# KiCad board RADAR_Main_Board.kicad_pcb (continued)
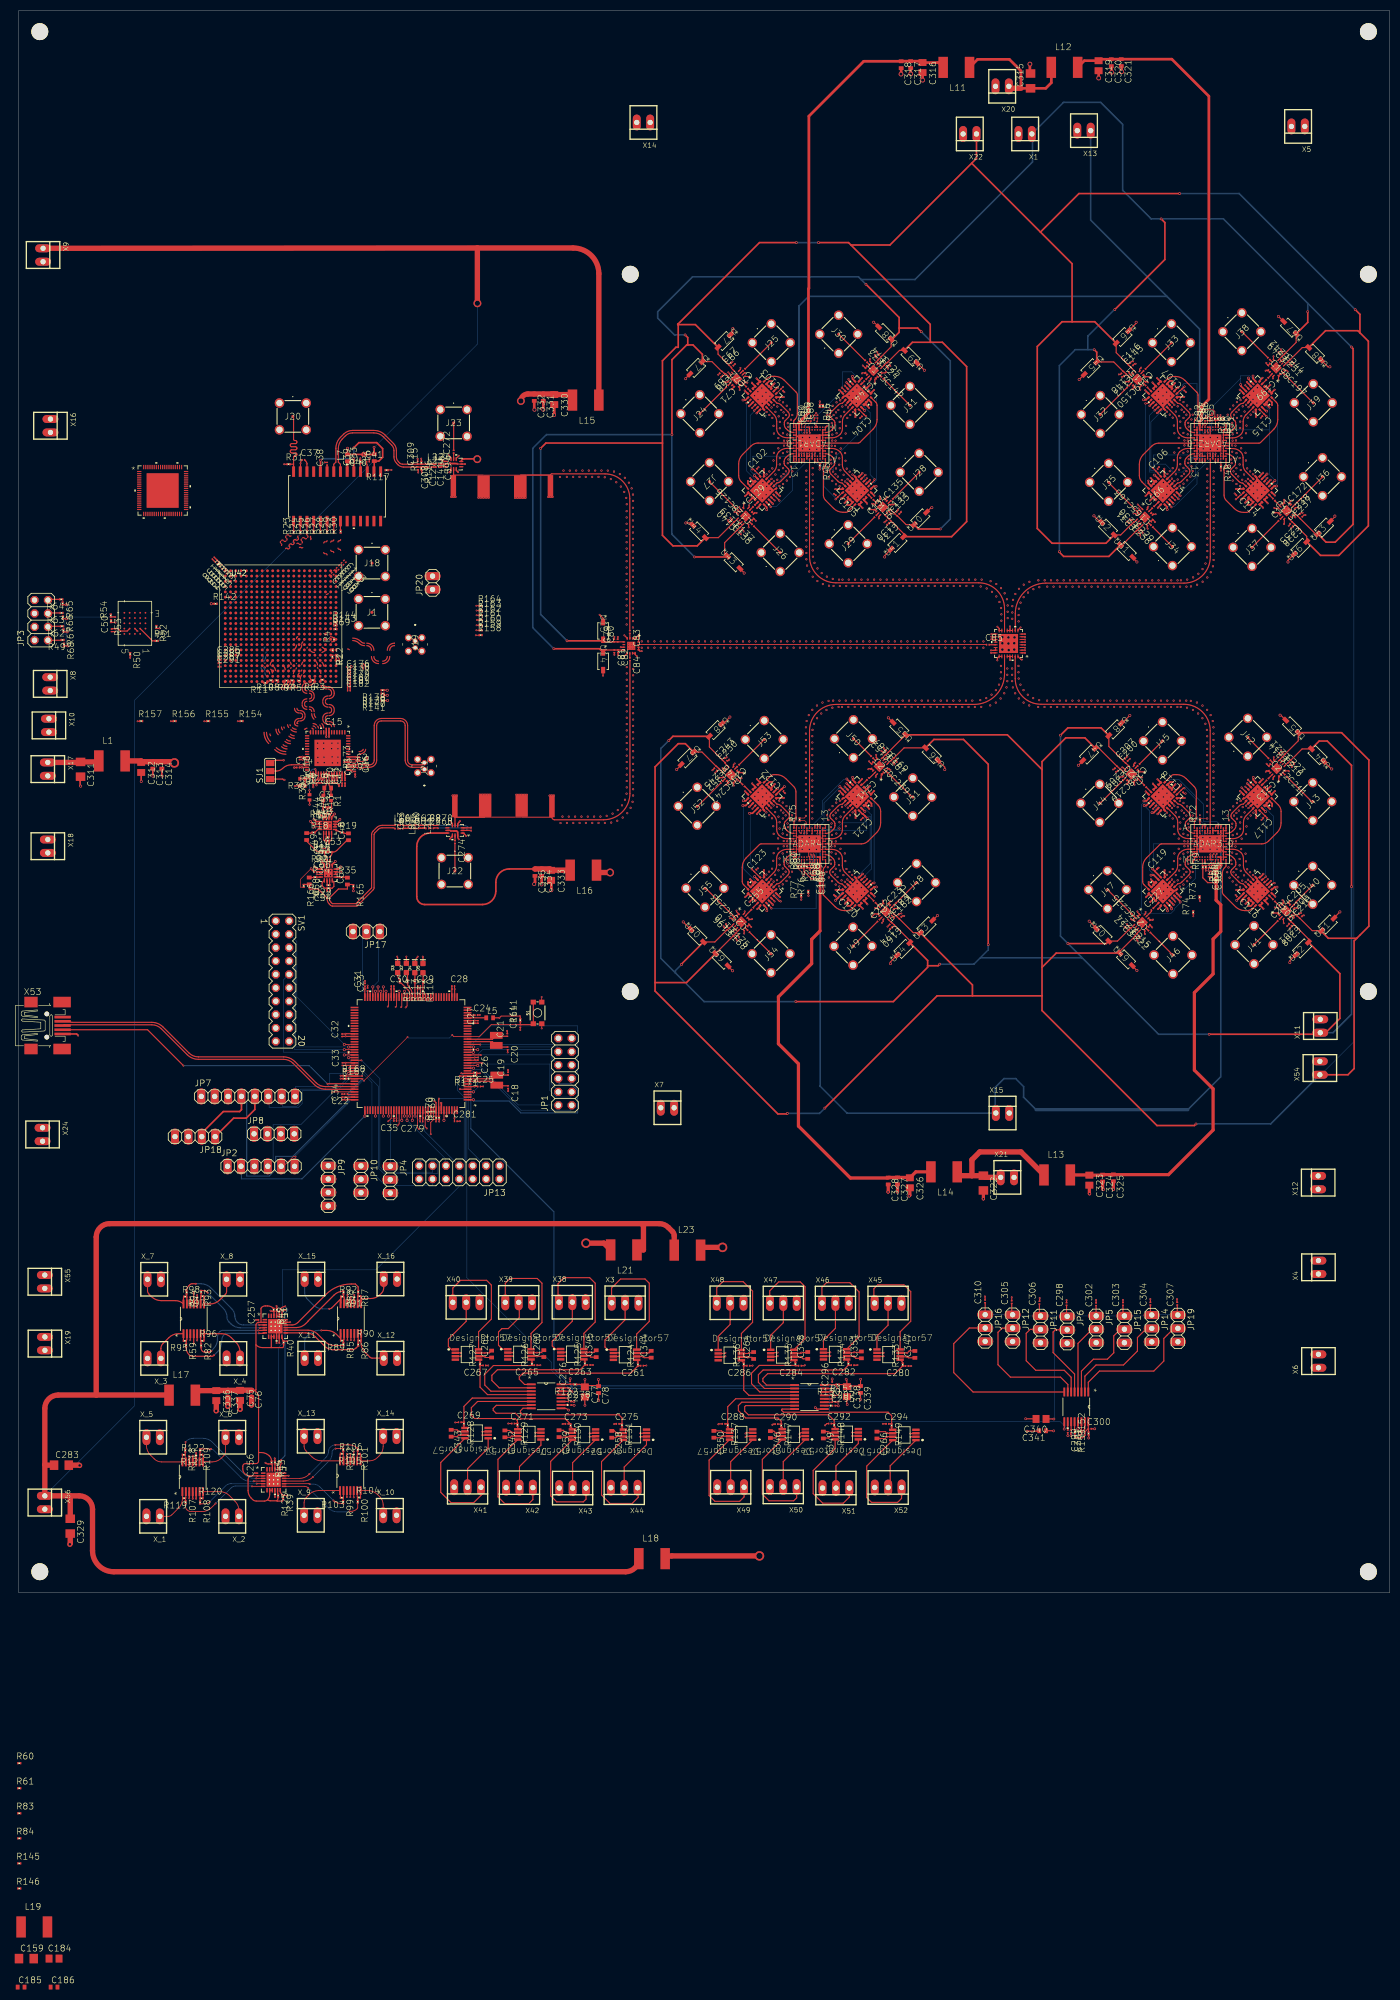
[diagram p0: board, top side]
## Routing (per net, layer and track width the routed paths; a pad name or vN(x,y) marks a point on that pad's centre or on a via; arc(x,y) is an arc through that point) (continued)
ACC_INT: length 23.2
  Top w0.152: U2.97 v2(61.76,98.98)
  Bottom w0.1: JP7.7 50,94 50,92.25 52.75,92.25 53.5,93 53.5,95.5 60.25,95.5 63.25,98.5 63.25,99 62,99 v2(61.76,98.98)
AD9523_CS: length 34.9
  Top w0.152: U2.19 v2(86.24,102.48)
  Bottom w0.1: v2(86.24,102.48) 86,102.5 85.75,102.75 85.75,103.75 89.5,107.5 106,107.5 106,98.75 105,97.75 JP1.5
AD9523_EEPROM_SEL: length 21
  Top w0.204: v1(87.55,103.95) 87.52,103.98 U2.22
  Bottom w0.1: v1(87.55,103.95) 87.5,104 104.75,104 104.75,105 JP1.11
AD9523_PD: length 24
  Top w0.152: U2.13 v2(86.24,99.48)
  Bottom w0.1: JP1.1 104.75,92.25 104.75,91.5 95.25,91.5 87.5,99.25 86.25,99.25 v2(86.24,99.48)
AD9523_REF_SEL: length 20.3
  Top w0.152: U2.14 v2(87.06,99.98)
  Bottom w0.1: v2(87.06,99.98) 87.25,100 94.75,92.5 102.25,92.5 JP1.2
AD9523_RESET: length 23.5
  Top w0.204: U2.18 87.62,101.98 v1(87.65,101.95)
  Bottom w0.1: JP1.4 102.25,95 102.25,95.25 101,96.5 101,102 87.75,102 v1(87.65,101.95)
AD9523_STATUS0: length 20.6
  Top w0.152: U2.20 v2(87.06,102.98)
  In5.Cu w0.1: v2(87.06,102.98) 87.25,103 88,103.75 103.75,103.75 104.75,102.75 JP1.9
AD9523_STATUS1: length 18.1
  Top w0.152: U2.21 v2(86.24,103.48)
  Bottom w0.1: v2(86.24,103.48) 86.25,103.5 102.25,103.5 102.25,102.75 JP1.10
AD9523_SYNC: length 26.3
  Top w0.204: U2.15 87.82,100.48 87.9,100.4 v1(87.9,100.35)
  Bottom w0.1: v1(87.9,100.35) 88,100.25 100.75,100.25 100.75,95.25 102,94 104.75,94 104.75,94.75 JP1.3
ADC_CLK_IN_N: length 2.5
  Top w0.204: U1.45 62.8,157 62.88,156.99 ; 62.88,156.99 62.88,157 R173.2 ; 62.88,156.99 63.05,156.99 63.06,156.98 63.12,156.98 63.14,157 63.86,157 63.88,156.98 64.17,156.98 C2.1
ADC_CLK_IN_P: length 2.5
  Top w0.204: 62.88,156.51 62.88,156.5 R173.1 ; 62.88,156.51 62.8,156.5 U1.44 ; 62.88,156.51 63.05,156.51 63.06,156.52 63.12,156.52 63.14,156.5 63.86,156.5 63.88,156.52 64.18,156.52 C1.1
ADC_D0_N: length 0.7
  Top w0.204: 60.37,176.68 arc(60.31,176.99) 60.13,177.25 ; 57.24,177.75 arc(57.21,177.76) 57.18,177.78
ADC_D0_P: length 0.1
  Top w0.204: 59.51,177.25 arc(59.51,177.25) R2.2 ; 56.18,177.78 arc(56.21,177.77) 56.23,177.76 ; 56.72,177.27 arc(56.75,177.25) 56.78,177.25
ADC_D1_N: length 12.5
  Top w0.204: 58.88,169.55 arc(59.57,169.83) 59.85,170.52 ; 57.8,173.07 arc(57.8,173.09) R3.1 ; 58.39,171.83 arc(58.07,171.9) 57.8,172.08 ; 59.85,170.55 arc(59.75,171.06) 59.46,171.5 arc(59.09,171.75) 58.65,171.83 ; 59.85,164.23 arc(59.57,164.92) 58.88,165.2 ; 58.17,169.08 arc(58.31,169.41) 58.64,169.55 ; 58.64,165.2 arc(58.31,165.34) 58.17,165.67 ; 58.64,168.43 arc(58.31,168.57) 58.17,168.9 ; 59.85,167.46 arc(59.57,168.15) 58.88,168.43 ; 58.88,166.32 arc(59.57,166.6) 59.85,167.29 ; 58.17,165.84 arc(58.31,166.18) 58.64,166.32 ; 57.82,175.73 arc(57.74,176.11) 57.52,176.44
ADC_D1_P: length 13.9
  Top w0.204: 60.03,177.75 arc(60.26,177.71) 60.46,177.58 arc(60.73,177.16) 60.83,176.68 ; 59.35,164.23 arc(59.21,164.56) 58.88,164.7 ; 57.34,172.08 arc(57.37,171.9) 57.47,171.75 arc(57.89,171.47) 58.39,171.37 ; 57.67,165.84 arc(57.95,166.53) 58.64,166.82 ; 56.67,175.94 arc(56.61,176.26) 56.42,176.54 ; 57.67,169.08 arc(57.95,169.76) 58.64,170.05 ; 58.88,166.82 arc(59.21,166.95) 59.35,167.29 ; 59.35,167.46 arc(59.21,167.79) 58.88,167.93 ; 58.64,167.93 arc(57.95,168.22) 57.67,168.9 ; 56.75,175.28 arc(56.69,175.37) 56.67,175.47 ; 58.65,171.37 arc(58.91,171.32) 59.13,171.17 arc(59.29,170.93) 59.35,170.64 ; 58.64,164.7 arc(57.95,164.99) 57.67,165.67 ; 58.88,170.05 arc(59.21,170.19) 59.35,170.52
ADC_D2_N: length 10.4
  Top w0.204: 54.23,171.65 arc(54.36,171.95) 54.66,172.07 ; 55.15,169.03 arc(55.78,169.29) 56.04,169.92 ; 55.15,172.07 arc(55.78,172.34) 56.04,172.97 ; 56.18,173.34 arc(56.15,173.18) R6.1 arc(56.04,173.02) 56.04,173 ; 54.22,168.61 arc(54.35,168.91) 54.65,169.03 ; 56.33,165.97 arc(56.12,166.3) 56.04,166.68 ; 56.04,170.13 arc(55.78,170.76) 55.15,171.02 ; 54.65,167.98 arc(54.35,168.1) 54.22,168.4 ; 56.04,167.09 arc(55.78,167.72) 55.15,167.98 ; 54.66,171.02 arc(54.36,171.14) 54.23,171.45 ; 57.85,163.96 arc(57.76,164.42) 57.5,164.81
ADC_D2_P: length 10.9
  Top w0.204: 53.76,171.65 arc(54.02,172.28) 54.65,172.54 ; 55.15,172.54 arc(55.45,172.66) 55.58,172.97 arc(55.57,173.01) R6.2 ; 55.18,173.82 arc(55.26,173.44) 55.47,173.11 ; 53.76,168.61 arc(54.02,169.24) 54.65,169.5 ; 57.35,163.96 arc(57.29,164.27) 57.11,164.54 ; 54.65,167.51 arc(54.02,167.77) 53.76,168.4 ; 55.15,169.5 arc(55.45,169.62) 55.58,169.92 ; 56,165.65 arc(55.69,166.12) 55.58,166.68 ; 54.65,170.55 arc(54.02,170.82) 53.76,171.45 ; 55.58,170.13 arc(55.45,170.43) 55.15,170.55 ; 55.58,167.09 arc(55.45,167.39) 55.15,167.51
ADC_D3_N: length 6.5
  Top w0.204: 53.42,167.27 arc(54.05,167.01) 54.31,166.38 ; 52.79,171.57 arc(52.8,171.64) 52.85,171.71 arc(52.8,171.63) 52.78,171.55 ; 53.3,172.16 arc(53.39,172.29) 53.41,172.44 ; 54.31,166.2 arc(54.05,165.57) 53.42,165.31 ; 52.94,164.81 arc(52.85,164.83) 52.78,164.88 arc(52.91,165.18) 53.21,165.31 ; 56.85,163.96 arc(56.81,164.16) 56.7,164.33 ; 52.78,167.7 arc(52.91,167.4) 53.21,167.27 ; 56.48,164.55 arc(56.18,164.74) 55.84,164.81 ; 54.01,174.35 arc(54.14,174.54) 54.18,174.76
ADC_D3_P: length 8.6
  Top w0.204: 53.41,173.34 arc(53.49,173.72) 53.71,174.05 ; 52.97,172.78 arc(52.95,172.87) R5.2 ; 52.32,167.7 arc(52.58,167.07) 53.21,166.81 ; 52.32,171.55 arc(52.32,171.56) 52.33,171.57 arc(52.38,171.82) 52.52,172.03 ; 52.94,164.35 arc(52.68,164.4) 52.45,164.55 arc(52.35,164.7) 52.32,164.88 arc(52.58,165.51) 53.21,165.77 ; 52.9,173.66 arc(52.98,174.04) 53.2,174.37 ; 56.35,163.96 arc(56.34,164.02) 56.31,164.06 ; 53.59,174.76 arc(53.66,174.86) 53.68,174.98 ; 53.84,166.2 arc(53.72,165.9) 53.42,165.77 ; 53.68,175.98 arc(53.74,176.26) 53.89,176.49 ; 53.42,166.81 arc(53.72,166.68) 53.84,166.38 ; 56.15,164.22 arc(56.01,164.32) 55.84,164.35
ADC_D4_N: length 3.2
  Top w0.204: 51.54,164.4 arc(51.48,164.49) 51.46,164.59 ; 52.24,176.64 arc(52.19,176.71) 52.18,176.78 ; 55.62,163.93 arc(55.69,163.91) 55.76,163.87 arc(55.83,163.77) 55.85,163.65 ; 52.59,175.16 arc(52.66,175.26) 52.68,175.38 ; 52.62,163.73 arc(52.24,163.81) 51.92,164.02 ; 54.19,163.73 arc(54.28,163.75) 54.36,163.8 arc(54.5,163.9) 54.67,163.93 ; 52.68,176.17 arc(52.67,176.2) 52.66,176.22 ; 52.1,174.26 arc(52.18,174.64) 52.4,174.97
ADC_D4_P: length 4.2
  Top w0.204: U1.14 arc(55.28,163.2) 55.19,163.22 ; 51.6,175.26 arc(51.61,175.36) 51.67,175.44 ; 51,171.32 arc(51.1,171.82) 51.38,172.25 arc(51.54,172.48) 51.6,172.76 ; 51.5,176.46 arc(51.61,176.29) 51.65,176.1 arc(51.66,176.08) 51.67,176.05 ; 52.67,163.22 arc(52.11,163.33) 51.64,163.65 ; 51.21,164.07 arc(51.05,164.31) 51,164.59
ADC_D5_N: length 2.6
  Top w0.204: 50.75,172.14 arc(50.97,172.47) 51.04,172.85 ; 50.3,171.28 arc(50.38,171.66) 50.59,171.98 ; 50.38,163.96 arc(50.32,164.05) 50.3,164.15 ; 52.25,162.5 arc(51.87,162.58) 51.55,162.79
ADC_D5_P: length 4.1
  Top w0.204: 50.05,163.63 arc(49.89,163.87) 49.84,164.15 ; 52.29,162 arc(51.73,162.11) 51.26,162.43 ; 50.54,175.01 arc(50.46,175.39) 50.24,175.72 ; 50.36,172.41 arc(50.49,172.6) 50.54,172.83 ; 49.84,171.28 arc(49.95,171.84) 50.26,172.31
ADC_D6_N: length 1.8
  Top w0.204: 49.26,172.88 arc(49.25,172.95) R8.1 ; 51.5,161.5 arc(51.12,161.58) 50.8,161.79 ; 49.21,175.72 arc(49.2,175.75) 49.18,175.78 ; 49.55,163.04 arc(49.34,163.36) 49.26,163.74
ADC_D6_P: length 3.4
  Top w0.204: 49.22,162.71 arc(48.91,163.18) 48.8,163.74 ; 48.8,172.15 arc(48.72,172.26) 48.7,172.39 ; 48.7,174.85 arc(48.62,175.23) 48.4,175.56 ; 51.54,161 arc(50.98,161.11) 50.51,161.43
ADC_D7_N: length 1.6
  Top w0.204: 47.7,175.89 arc(47.78,176.27) 47.99,176.59 ; 48.11,173 arc(48.11,173) R10.1 ; 50.86,160.5 arc(50.48,160.58) 50.16,160.79
ADC_D7_P: length 2.6
  Top w0.204: 47.4,174.75 arc(47.54,174.53) 47.6,174.28 ; 47.78,162.51 arc(47.68,162.66) 47.65,162.84 ; 46.72,176.3 arc(46.69,176.26) 46.68,176.2 ; 47.65,172.89 arc(47.63,172.95) R10.2 ; 46.68,175.61 arc(46.71,175.48) 46.78,175.37 ; 47.18,176.78 arc(47.18,176.76) 47.17,176.75 ; 50.9,160 arc(50.34,160.11) 49.87,160.43
ADC_DCO_N: length 3.5
  Top w0.204: 64.56,159.02 arc(65.12,159.13) 65.59,159.45 ; 65.63,159.48 arc(65.77,159.69) 65.81,159.93 ; 54.75,179.28 arc(54.7,179.2) 54.68,179.11 ; 55.09,177.82 arc(55.13,177.79) 55.18,177.78 ; 65.81,175.11 arc(65.7,175.67) 65.39,176.14 ; 59.62,178.95 arc(59.59,178.96) R12.1 ; 62.71,178.82 arc(62.56,178.92) 62.38,178.95
ADC_DCO_P: length 2.3
  Top w0.204: 65.35,175.11 arc(65.27,175.49) 65.06,175.81 ; 65.3,159.81 arc(65.34,159.87) 65.35,159.93 ; 64.56,159.48 arc(64.94,159.56) 65.26,159.77 ; 59.63,178.49 arc(59.6,178.48) R12.2 ; 57.97,178.47 arc(57.72,178.42) 57.52,178.28
ADC_IF_IN_N: length 1.9
  Top w0.204: R1.2 arc(59.3,150.1) 59.32,149.98 R17.1 59.32,148.37 arc(59.32,148.35) C45.2
ADC_IF_IN_P: length 1.9
  Top w0.204: R13.2 57.79,149.02 arc(57.78,148.98) R16.2 57.76,148.48 arc(57.77,148.41) C44.2
ADC_OR_N: length 6.9
  Top w0.204: 50.65,159.5 arc(49.68,159.69) 48.86,160.24 ; 47.01,173.72 arc(46.99,173.81) 46.94,173.89 ; 47.74,161.36 arc(47.19,162.18) 47,163.15
  Bottom w0.204: 46.43,176.5 arc(46.43,176.53) 46.45,176.55 arc(46.76,177.01) 46.86,177.55 ; 46.86,178.19 arc(46.93,178.29) 46.95,178.4 ; 46.7,174.77 arc(46.63,175.13) 46.43,175.43 ; 46.94,173.89 arc(46.76,174.15) 46.7,174.46
ADC_OR_P: length 8.1
  Top w0.204: 46.54,172.49 arc(46.53,172.51) R11.2 ; 50.69,159 arc(49.54,159.23) 48.56,159.88 ; 47.41,161.03 arc(46.76,162) 46.54,163.15
  Bottom w0.204: 46.24,174.77 arc(46.2,174.95) 46.1,175.1 arc(46,175.25) 45.96,175.43 ; 46.47,173.42 arc(46.3,173.68) 46.24,173.99 ; 46.4,177.55 arc(46.33,177.19) 46.12,176.88 arc(46.01,176.7) 45.96,176.5 ; 46.4,178.58 arc(46.48,178.97) 46.7,179.3
ADC_PWRD: length 0.8
  Top w0.204: 57.3,174.31 arc(57.23,174.69) 57.01,175.02
ADF4382_RX_CE: length 23.2
  Top w0.152: U2.124 v2(73.16,90.4)
  In5.Cu w0.1: v2(73.16,90.4) 73.25,90.5 73.75,91 81.25,91 82,90.25 82,78.5 81.25,78.5 JP13.10
ADF4382_RX_CS: length 13.6
  Top w0.152: U2.125 v2(73.66,89.58)
  Bottom w0.1: JP13.9 81,81 81,82.25 73.75,89.5 v2(73.66,89.58)
ADF4382_RX_DELADJ: length 38.5
  Top w0.152: U2.92 v2(62.58,101.48)
  Bottom w0.1: JP13.12 78.5,77.25 69.5,77.25 67,79.75 67,96.75 62.5,101.25 v2(62.58,101.48)
ADF4382_RX_DELSTR: length 34.7
  Top w0.15: U2.93 64.97,100.98 v1(65,100.95)
  Bottom w0.1: JP13.11 78.5,79.75 69.5,79.75 68.5,80.75 68.5,97.5 65,101 v1(65,100.95)
ADF4382_RX_LKDET: length 46.1
  Top w0.152: U2.91 v2(61.76,101.98)
  Bottom w0.1: JP13.13 76,81 76,82 79,82 79.5,81.5 79.5,79.5 69.25,79.5 68.25,80.5 68.25,96 64.5,99.75 64.5,102 62,102 v2(61.76,101.98)
ADF4382_TX_CE: length 15.2
  Top w0.15: U2.132 77.16,89.86 77.1,89.8 77.1,88.35 v1(77.4,88.05)
  In7.Cu w0.1: v1(77.4,88.05) 77.5,88 79,88 86,81 JP13.5
ADF4382_TX_CS: length 23.1
  Top w0.15: U2.129 75.66,88.19 v1(75.95,87.9)
  In7.Cu w0.1: v1(75.95,87.9) 76,87.75 82.5,81.25 82.5,78 83,77.5 87.75,77.5 88.5,78.25 JP13.4
ADF4382_TX_DELADJ: length 14
  Top w0.152: U2.128 v2(75.16,90.4)
  Bottom w0.1: JP13.7 83.5,81 77,87.5 77,88.5 75.25,90.25 v2(75.16,90.4)
ADF4382_TX_DELSTR: length 34.4
  Top w0.152: U2.127 v2(74.66,89.58)
  In7.Cu w0.1: JP13.6 86.25,78.5 87.25,79.5 87.25,86.75 79.75,94.25 76.25,94.25 72,90 72,89.5 72.5,89 74,89 74.5,89.5 v2(74.66,89.58)
ADF4382_TX_LKDET: length 24.7
  Top w0.152: U2.126 v2(74.16,90.4)
  Bottom w0.1: v2(74.16,90.4) 74.25,90.5 74.75,91 84.5,91 84.5,79.25 83.75,78.5 JP13.8
AMP_IF_IN_N: length 5
  Top w0.204: C52.2 59.12,139.6 arc(59.34,139.93) 59.41,140.31 R21.1 59.62,140.45 arc(60,140.53) 60.32,140.74 62.27,142.69 C48.1
AMP_IF_IN_P: length 5.5
  Top w0.204: C51.2 58.26,139.64 arc(58.04,139.97) 57.96,140.35 R20.2 57.08,140.45 arc(56.7,140.53) 56.38,140.74 54.62,142.5 C49.2
AMP_IN_N: length 31.5
  Top w0.204: R165.1 arc(63.38,134.28) 63.26,134.3 C57.1 62.34,133.44 60.63,133.44 58.95,131.76 58.95,131.62 arc(59.03,131.24) 59.24,130.92 59.49,130.67 63.95,130.67 66.94,133.66 66.94,143.78 arc(67.01,144.11) 67.19,144.39 67.89,145.09 arc(68.36,145.4) 68.92,145.51 71.3,145.51 arc(71.35,145.52) L10.1
AMP_IN_P: length 32.2
  Top w0.204: L9.1 arc(71.21,145.01) 71,145.05 68.92,145.05 arc(68.54,144.97) 68.22,144.76 67.52,144.06 arc(67.43,143.93) 67.4,143.78 67.4,133.66 arc(67.37,133.48) 67.27,133.33 64.14,130.21 59.49,130.21 arc(59.31,130.24) 59.16,130.34 58.92,130.59 arc(58.6,131.06) 58.49,131.62 58.49,131.76 56.79,133.46 55.1,133.46 C58.2 54.13,134.32 arc(54.09,134.31) R166.1
ANT1_1: length 0.7
  Top w0.204: ADTR1107_3.17 138.34,228.28 C72.2
ANT1_2: length 1
  Top w0.204: ADTR1107_7.17 214.1,228.52 C151.2
ANT1_3: length 1
  Top w0.204: C206.2 237.9,131.48 ADTR1107_10.17
ANT1_4: length 1.4
  Top w0.204: C234.2 162.15,131.23 ADTR1107_14.17
ANT2_1: length 0.7
  Top w0.204: ADTR1107_1.17 C129.2
ANT2_2: length 1.2
  Top w0.204: C166.2 215.38,206 ADTR1107_5.17
ANT2_3: length 1.2
  Top w0.204: ADTR1107_12.17 235.86,153.21 C213.2
ANT2_4: length 1.5
  Top w0.204: C241.2 159.97,153.21 ADTR1107_16.17
ANT3_1: length 0.8
  Top w0.204: ADTR1107_2.17 161.75,207.63 C136.2
ANT3_2: length 1
  Top w0.204: ADTR1107_6.17 237.21,208.15 C173.2
ANT3_3: length 1.3
  Top w0.204: C220.2 213.87,152.75 ADTR1107_11.17
ANT3_4: length 1.6
  Top w0.204: ADTR1107_15.17 137.72,152.9 C248.2
ANT4_1: length 0.8
  Top w0.204: C144.2 159.86,229.21 ADTR1107_4.17
ANT4_2: length 1.1
  Top w0.204: C199.2 235.86,229.21 ADTR1107_8.17
ANT4_3: length 1.4
  Top w0.204: C227.2 216.17,130.77 ADTR1107_9.17
ANT4_4: length 1.2
  Top w0.204: C255.2 139.35,129.97 ADTR1107_13.17
DAC_0: length 1.4
  Top w0.204: 60.79,197.85 arc(60.63,197.92) 60.56,198.08 ; 60.56,199.25 arc(60.63,199.41) 60.79,199.47 ; 61.06,197.62 arc(60.99,197.78) 60.83,197.85 ; 60.83,199.47 arc(60.99,199.54) 61.06,199.7
DAC_1: length 1.4
  Top w0.204: 59.53,199.42 arc(59.69,199.49) 59.76,199.65 ; 59.42,197.45 arc(59.25,197.52) 59.19,197.68 ; 59.19,199.2 arc(59.25,199.36) 59.42,199.42 ; 59.76,197.22 arc(59.69,197.38) 59.53,197.45
DAC_1_VG_CLR: length 57.1
  Top w0.152: U2.134 v2(78.16,90.4)
  Top w0.204: v1(50.9,47.7) 50.32,47.7 arc(50.28,47.71) R40.1 arc(50,48.1) 49.91,48.53 U7.12
  In5.Cu w0.1: v1(50.9,47.7) 51,47.75 77,73.75 77,88.75 77.5,88.75 78.25,89.5 78.25,90.25 v2(78.16,90.4)
DAC_1_VG_LDAC: length 65.7
  Top w0.15: U2.135 78.66,89.71 78.15,89.2 v1(78.15,86.95)
  Top w0.204: U7.22 48.41,53.28 arc(48.4,53.35) R42.2 47.98,53.41 arc(47.86,53.43) v1(47.75,53.5)
  In5.Cu w0.1: v1(78.15,86.95) 78,87 77.5,87 77.5,73.75 51,47.25 50.5,47.25 50.5,51 49.5,52 49.25,52 v1(47.75,53.5)
DAC_2: length 1.4
  Top w0.204: 57.86,199.05 arc(57.92,199.21) 58.08,199.27 ; 58.26,199.27 arc(58.42,199.34) 58.49,199.5 ; 58.49,196.79 arc(58.42,196.95) 58.26,197.01 ; 58.08,197.01 arc(57.92,197.08) 57.86,197.24
DAC_2_VG_CLR: length 87.8
  Top w0.152: U2.139 v2(80.66,89.58)
  Top w0.204: U69.12 arc(49.69,19.03) 49.93,18.66 R39.1 50.94,18.46 arc(50.94,18.45) 50.95,18.45 arc(50.95,18.45) v1(50.95,18.46)
  In5.Cu w0.1: v1(50.95,18.46) 51,18.5 54.5,22 55.25,22 80,46.75 80,89 80.5,89.5 v2(80.66,89.58)
DAC_2_VG_LDAC: length 85.6
  Top w0.152: U2.140 v2(81.16,90.4)
  Top w0.204: U69.22 48.1,24.1 arc(48.06,24.28) R44.2 47.32,24.44 arc(47.04,24.49) 46.8,24.65 arc(46.8,24.66) v1(46.8,24.66)
  In5.Cu w0.1: v1(46.8,24.66) 46.75,24.75 79.5,57.5 79.5,89 79,89 78.75,89.25 78.75,90.25 81,90.25 v2(81.16,90.4)
DAC_4: length 1.4
  Top w0.204: 53.88,198.18 arc(53.72,198.11) 53.56,198.18 arc(53.4,198.25) 53.23,198.18 ; 55.38,200.32 arc(55.31,200.16) 55.38,200 arc(55.44,199.84) 55.38,199.68
DAC_5: length 2.9
  Top w0.204: 54.8,200.11 arc(54.87,200.27) 54.8,200.43 ; 53.21,198.83 arc(53.37,198.77) 53.53,198.83 ; 52.77,198.95 arc(52.93,199.01) 53.09,198.95 ; 53.84,200.01 arc(54,200.08) 54.16,200.01 ; 54.69,200.54 arc(54.62,200.7) R25.1 ; 53.74,199.04 arc(53.8,199.2) 53.74,199.36 ; 54.27,199.9 arc(54.43,199.83) 54.59,199.9 ; 53.62,199.48 arc(53.56,199.64) 53.62,199.8
DAC_6: length 4.3
  Top w0.204: 53,199.71 arc(53.07,199.87) 53,200.03 ; 52.97,200.06 arc(52.91,200.22) 52.97,200.38 ; 51.42,198.83 arc(51.58,198.89) 51.74,198.83 ; 51.77,198.8 arc(51.93,198.73) 52.09,198.8 ; 52.59,199.62 arc(52.75,199.55) 52.91,199.62 ; 52.15,199.24 arc(52.09,199.4) 52.15,199.56 ; 51.36,198.07 arc(51.43,198.23) 51.36,198.39 ; 50.6,198.01 arc(50.76,198.07) 50.92,198.01 ; 50.95,197.98 arc(51.11,197.91) 51.27,197.98 ; 52.18,198.89 arc(52.25,199.05) 52.18,199.21 ; 52.24,199.65 arc(52.4,199.71) 52.56,199.65 ; 51.33,198.42 arc(51.27,198.58) 51.33,198.74
DAC_7: length 2.9
  Top w0.204: 49.84,198.57 arc(49.9,198.73) 49.84,198.89 ; 49.86,199.55 arc(50.02,199.61) 50.19,199.55 ; 50.84,199.57 arc(50.9,199.73) 50.84,199.89 ; 50.34,199.39 arc(50.5,199.33) 50.66,199.39 ; 49.69,199.05 arc(49.62,199.21) 49.69,199.37 ; 51.34,200.39 arc(51.5,200.33) 51.66,200.39 ; 50.68,200.05 arc(50.62,200.21) 50.68,200.37 ; 50.86,200.54 arc(51.02,200.61) 51.18,200.54
DAC_ACOM: length 2
  Top w0.3: U3.20 62.36,212.64 L7.1
DAC_AVDD: length 23.2
  Top w0.3: v3(63.55,217.07) 63.55,217.1 64.53,218.07 67.9,218.07 69.03,216.95 69.03,215.3 68.3,214.57 L6.1 67.44,212.64 U3.16 ; v3(57.25,214.75) 57.25,212.61 U3.24 ; C39.2 63.54,215.02 v3(63.55,215.03)
  Bottom w0.3: v3(63.55,217.07) v3(63.55,215.03) 57.57,215.03 57.27,214.73 v3(57.25,214.75)
DAC_CLOCK: length 16.2
  Top w0.204: U3.28 52.13,214 ; 52.13,214 52.13,215.33 arc(52.2,215.49) 52.36,215.56 52.52,215.56 arc(52.68,215.62) 52.75,215.78 52.75,215.91 arc(52.68,216.07) 52.52,216.14 51.75,216.14 arc(51.59,216.21) 51.52,216.37 51.52,216.5 arc(51.59,216.66) 51.75,216.72 52.52,216.72 arc(52.68,216.79) 52.75,216.95 52.75,217.08 arc(52.68,217.24) 52.52,217.31 51.75,217.31 arc(51.59,217.37) 51.52,217.53 51.52,217.66 arc(51.59,217.82) 51.75,217.89 52.52,217.89 arc(52.68,217.96) 52.75,218.12 52.75,218.25 arc(52.68,218.41) 52.52,218.47 52.36,218.47 arc(52.2,218.54) 52.13,218.7 52.13,222.72 arc(52.1,222.9) J20.1 ; 52.13,214 arc(52.12,213.99) 52.11,213.99 R31.2 arc(51.45,214) 51.46,214
DAC_IOUT_F_N: length 1.4
  Top w0.204: L27.2 80,213.43 arc(80.07,213.45) C59.2 arc(80.15,213.5) 80.16,213.5 81.02,213.5 arc(81.03,213.5) U5.3
DAC_IOUT_F_P: length 1.4
  Top w0.204: L26.2 80.02,214.04 arc(80.08,214.03) C59.1 arc(80.15,214) 80.16,214 81.02,214 arc(81.03,214) U5.2
DAC_IOUT_N: length 27.3
  Top w0.204: 76.44,213.47 C127.2 arc(77.3,213.43) 77.37,213.41 L25.1 ; 76.44,213.47 arc(76.42,213.46) 76.4,213.45 C308.1 73,213.45 arc(72.42,213.57) 71.92,213.9 71.69,214.13 arc(71.68,214.15) 71.67,214.17 arc(71.3,214.72) 71.18,215.37 71.18,216.57 arc(71.06,217.13) 70.75,217.6 69.17,219.18 arc(68.34,219.73) 67.37,219.93 63.3,219.93 arc(62.58,219.78) 61.98,219.38 61.37,218.77 arc(60.82,217.94) 60.62,216.97 60.62,214.38 61.02,213.97 U3.21 ; 76.44,213.47 arc(76.4,213.46) R115.2
DAC_IOUT_P: length 27.9
  Top w0.204: U3.22 59.76,213.97 60.16,214.38 60.16,216.97 arc(60.39,218.12) 61.04,219.09 61.65,219.7 arc(62.41,220.21) 63.3,220.39 67.37,220.39 arc(68.52,220.16) 69.5,219.51 71.08,217.93 arc(71.49,217.31) 71.64,216.57 71.64,215.37 arc(71.73,214.9) 72,214.5 arc(72,214.48) 72.02,214.46 72.25,214.23 arc(72.51,214.05) 72.82,213.99 75.64,213.99 arc(75.67,214) C309.1 76.36,214.01 arc(76.36,214.01) R116.2 77.15,214 arc(77.19,214) C127.1 77.56,213.97 arc(77.63,213.98) L22.1
DAC_VOUT_VG_1: length 19.5
  Top w0.204: v1(45.6,50.8) 46.66,50.8 arc(46.67,50.8) U7.3 ; v1(33.6,58.6) 32.86,58.6 arc(32.67,58.56) 32.5,58.45 32.26,58.21 arc(31.95,57.74) R94.1
  Bottom w0.204: v1(45.6,50.8) 42.59,50.8 arc(42,50.92) 41.5,51.25 41.49,51.26 arc(41.13,51.8) 41,52.45 arc(40.85,53.19) 40.43,53.82 36.39,57.86 arc(35.57,58.41) 34.6,58.6 v1(33.6,58.6)
DAC_VOUT_VG_2: length 17.5
  Top w0.204: R87.1 64.39,58 63.84,58.56 63.07,58.56 arc(60.47,58.04) 58.26,56.56 52.95,51.25 arc(52.44,50.91) 51.84,50.79 U7.16
DAC_VOUT_VG_3: length 15.6
  Top w0.204: R93.1 34.85,57.31 arc(35.39,57.21) v1(35.85,56.9) ; v1(45.7,50.25) 46.59,50.25 arc(46.64,50.26) U7.4
  Bottom w0.204: v1(35.85,56.9) 38.83,53.92 arc(39.33,53.18) 39.5,52.3 arc(39.6,51.79) 39.89,51.36 40.26,50.99 arc(41.08,50.44) 42.05,50.25 v1(45.7,50.25)
DAC_VOUT_VG_4: length 13.6
  Top w0.204: U7.15 52.64,50.29 arc(53.61,50.48) 54.43,51.03 54.85,51.45 arc(54.86,51.5) 54.89,51.54 59.8,56.45 arc(60.61,56.99) 61.57,57.19 R88.1
DAC_VOUT_VG_5: length 15.5
  Top w0.204: v1(45.45,49.75) 46.59,49.75 arc(46.64,49.76) U7.5 ; R82.2 34.59,46.43 arc(34.66,46.09) 34.85,45.8 arc(35.02,45.69) 35.21,45.65 35.95,45.65 arc(36.27,45.71) v1(36.55,45.9)
  Bottom w0.204: v1(36.55,45.9) 36.96,46.31 arc(37.51,47.13) 37.7,48.1 37.7,48.46 arc(37.82,49.05) 38.15,49.55 arc(38.37,49.7) 38.63,49.75 v1(45.45,49.75)
DAC_VOUT_VG_6: length 11.9
  Top w0.204: U7.14 54.91,49.79 arc(55.88,49.6) 56.7,49.05 58.12,47.63 arc(58.95,47.08) 59.92,46.89 R85.2
DAC_VOUT_VG_7: length 19
  Top w0.204: v1(45.55,49.2) 46.47,49.2 arc(46.59,49.22) U7.6 ; v1(37.05,45.05) 36.99,44.99 arc(36.83,44.89) 36.65,44.85 32.95,44.85 arc(32.63,44.91) 32.35,45.1 arc(31.9,45.78) 31.74,46.57 R59.2
  Bottom w0.204: v1(45.55,49.2) 39.2,49.2 38.99,48.99 arc(38.63,48.45) 38.5,47.8 38.5,47.55 arc(38.31,46.58) 37.76,45.76 v1(37.05,45.05)
DAC_VOUT_VG_8: length 15.1
  Top w0.204: R86.2 64.01,46.44 arc(63.64,46.19) 63.2,46.1 59.62,46.1 arc(58.77,46.27) 58.05,46.75 56.25,48.55 arc(55.43,49.1) 54.46,49.29 U7.13
DAC_VOUT_VG_9: length 19.3
  Top w0.15: v1(31.65,28.6) 31.65,27.4 arc(31.63,27.31) R118.1 ; U69.3 45.07,21.69 arc(45.06,21.69) v1(45.05,21.7)
  Bottom w0.15: v1(31.65,28.6) 31.82,28.77 arc(32.41,29.16) 33.1,29.3 34.95,29.3 arc(35.92,29.11) 36.74,28.56 42.86,22.44 arc(43.68,21.89) 44.65,21.7 v1(45.05,21.7)
DAC_VOUT_VG_10: length 17.2
  Top w0.15: v1(60.05,28.05) 62.69,28.05 arc(63.56,27.88) R101.1 ; v1(55.15,22.55) 55.03,22.43 arc(54.21,21.88) 53.24,21.69 U69.16
  Bottom w0.15: v1(55.15,22.55) 58.23,25.63 arc(58.65,26.26) 58.8,27 arc(58.86,27.28) 59.01,27.51 59.2,27.7 arc(59.59,27.96) v1(60.05,28.05)
DAC_VOUT_VG_11: length 14.4
  Top w0.15: U69.4 44.65,21.19 arc(44.59,21.18) v1(44.55,21.15) ; R109.1 36.42,27.28 arc(36.46,27.28) v1(36.5,27.25)
  Bottom w0.15: v1(44.55,21.15) 43.9,21.15 arc(42.93,21.34) 42.11,21.89 36.93,27.07 arc(36.73,27.2) v1(36.5,27.25)
DAC_VOUT_VG_12: length 14.3
  Top w0.15: v1(60.1,27.35) 61.47,27.35 arc(61.51,27.36) R102.1 ; U69.15 53.99,21.19 arc(54.96,21.38) 55.78,21.93 v1(55.8,21.95)
  Bottom w0.15: v1(55.8,21.95) 58.85,25 arc(59.29,25.66) 59.45,26.45 59.45,26.76 arc(59.48,26.89) 59.55,27 59.76,27.21 arc(59.92,27.31) v1(60.1,27.35)
DAC_VOUT_VG_13: length 13.5
  Top w0.15: R108.2 35.22,16.88 arc(35.78,16.99) 36.25,17.3 arc(36.25,17.29) v1(36.26,17.29) ; v1(45.15,20.7) 46.35,20.7 arc(46.36,20.7) U69.5
  Bottom w0.15: v1(36.26,17.29) 39.26,20.29 arc(39.71,20.59) 40.25,20.7 v1(45.15,20.7)
DAC_VOUT_VG_14: length 12.6
  Top w0.15: R99.2 60.99,16.97 arc(60.29,17.1) v1(59.7,17.5) ; U69.14 54.98,20.69 arc(55.1,20.67) 55.2,20.6 arc(55.2,20.6) v1(55.2,20.61)
  Bottom w0.15: v1(59.7,17.5) 57.1,20.1 arc(56.54,20.48) 55.88,20.61 v1(55.2,20.61)
DAC_VOUT_VG_15: length 17.7
  Top w0.15: R107.2 31.65,16.35 arc(31.71,16.03) 31.9,15.75 arc(32.29,15.49) 32.74,15.4 34.75,15.4 arc(35.72,15.59) 36.54,16.14 v1(37.35,16.95) ; U69.6 44.25,20.19 arc(44.25,20.19) v1(44.25,20.19)
  Bottom w0.15: v1(37.35,16.95) 40.3,19.9 arc(40.69,20.16) 41.15,20.25 44.13,20.25 arc(44.19,20.24) 44.25,20.2 arc(44.25,20.19) v1(44.25,20.19)
DAC_VOUT_VG_16: length 17
  Top w0.15: v1(62.75,15.45) 62.99,15.45 arc(63.65,15.58) 64.2,15.95 arc(64.27,16.06) 64.3,16.19 R100.2 ; U69.13 54.2,20.19 arc(54.58,20.11) v1(54.9,19.9)
  Bottom w0.15: v1(54.9,19.9) 58.71,16.09 arc(59.53,15.54) 60.5,15.35 62.51,15.35 arc(62.64,15.38) v1(62.75,15.45)
DET1_1: length 14.5
  Top w0.204: ADTR1107_3.12 141.85,230.15 arc(142.41,230.52) 143.06,230.65 143.41,230.65 arc(144.38,230.46) 145.2,229.91 147.47,227.64 arc(147.63,227.4) 147.69,227.11 147.69,223.54 arc(147.58,222.97) 147.25,222.48 147.05,222.28 arc(147.01,222.22) 147,222.16 ADAR1_0.N13
DET1_2: length 14.6
  Top w0.204: 223,220.98 ADAR2_0.N13 223,222.13 arc(223.01,222.2) 223.05,222.25 223.25,222.46 arc(223.58,222.94) 223.69,223.52 223.69,227.08 arc(223.63,227.37) 223.47,227.62 221.2,229.88 arc(220.38,230.43) 219.41,230.62 219.06,230.62 arc(218.41,230.49) 217.85,230.12 217.41,229.69 ; 217.37,229.64 217.41,229.69 ; 217.41,229.69 217.4,229.7 ADTR1107_7.12
DET1_3: length 14.5
  Top w0.204: 234.65,130.35 ADTR1107_10.12 234.15,129.85 arc(233.59,129.48) 232.94,129.35 232.59,129.35 arc(231.62,129.54) 230.8,130.09 228.53,132.36 arc(228.37,132.6) 228.31,132.89 228.31,136.46 arc(228.42,137.03) 228.75,137.52 228.95,137.72 arc(228.99,137.78) 229,137.84 ADAR3_0.N13
DET1_4: length 14.5
  Top w0.204: 158.68,130.33 158.65,130.3 ; 158.65,130.3 158.2,129.85 arc(157.64,129.48) 156.99,129.35 156.64,129.35 arc(155.67,129.54) 154.85,130.09 152.58,132.36 152.58,137 arc(152.64,137.28) 152.8,137.52 153,137.72 arc(153.04,137.78) 153.05,137.84 153.05,139 ADAR4_0.N13 ; 158.65,130.3 158.65,130.3 ADTR1107_14.12
DET2_1: length 17.8
  Top w0.204: ADAR1_0.G13 140.23,218 arc(139.53,217.86) 138.93,217.46 137.3,215.83 arc(136.75,215.01) 136.56,214.04 136.56,211.84 arc(136.69,211.2) 137.05,210.65 ADTR1107_1.12